# KiCad board All_Bloks_of_project.kicad_pcb (continued)
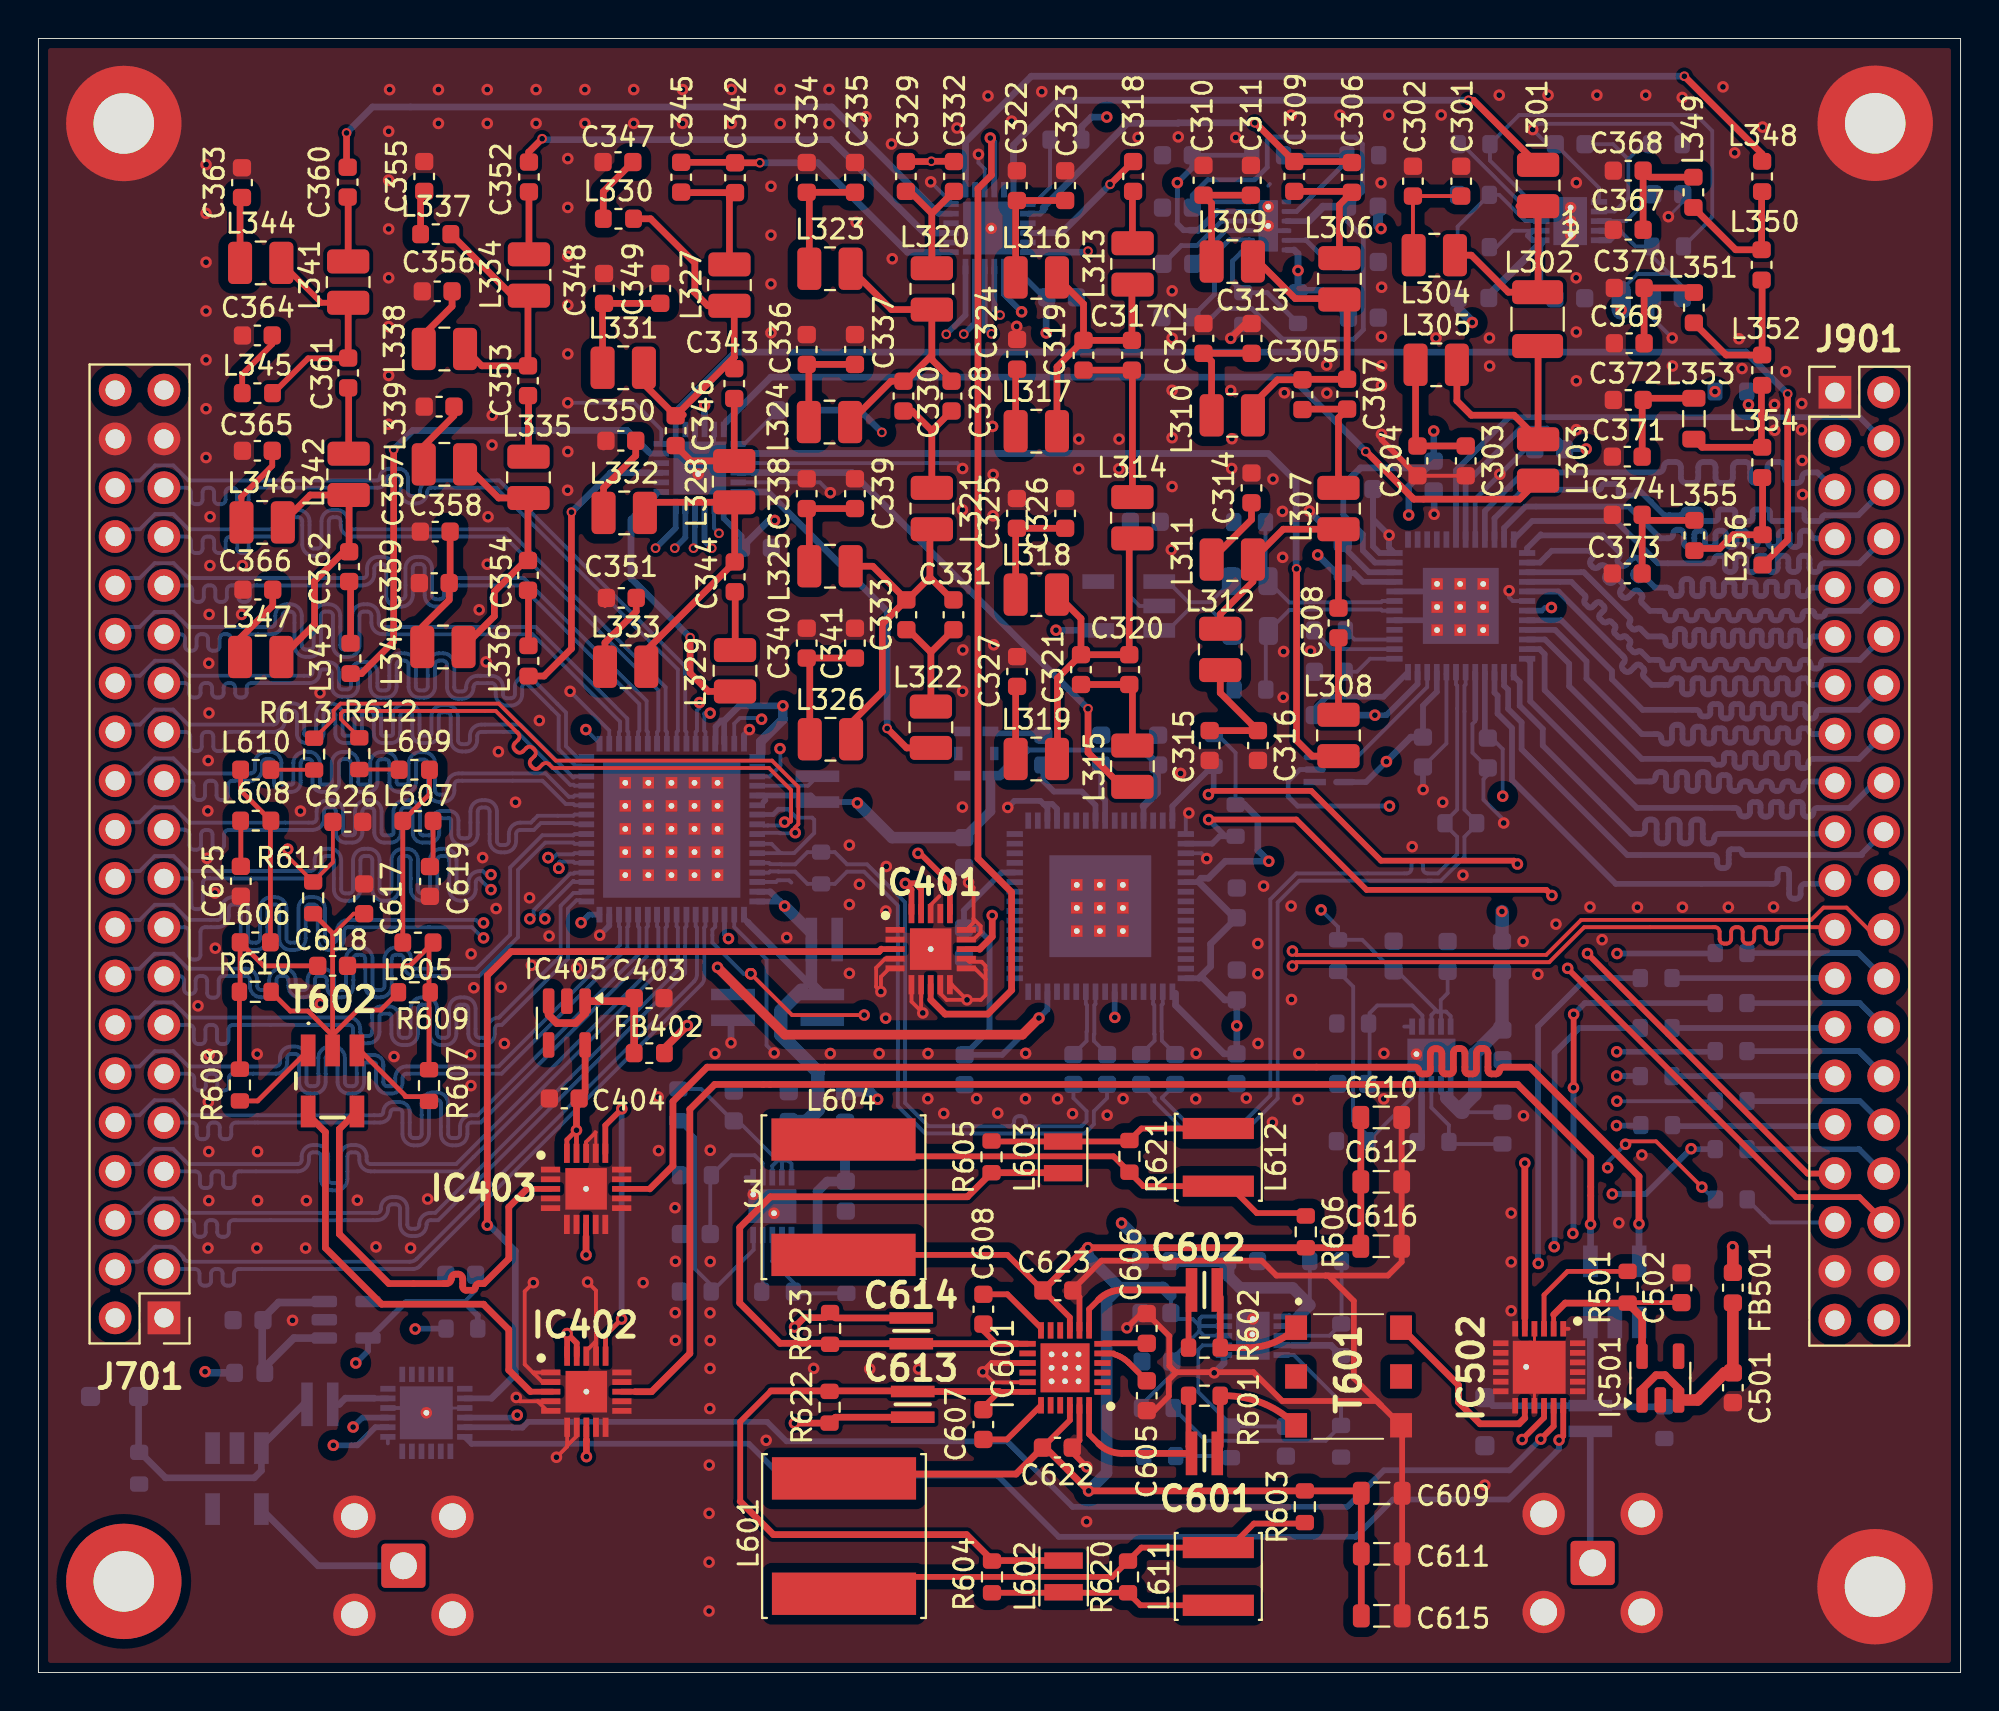
[diagram p0: board, top side]
## Routing (per net, layer and track width the routed paths; a pad name or vN(x,y) marks a point on that pad's centre or on a via; arc(x,y) is an arc through that point) (continued)
/TX_D9: length 27.5
  Bottom w0.3: IC901.39 80.4,57.24 82.79,54.85 arc(82.83,54.74) 82.79,54.64 arc(82.74,54.53) 82.79,54.43 82.93,54.28 arc(83.04,54.24) 83.14,54.28 arc(83.25,54.33) 83.35,54.28 83.74,53.9 84.45,53.9 arc(84.59,53.84) 84.65,53.7 84.65,53.61 arc(84.71,53.47) 84.85,53.41 84.95,53.41 arc(85.09,53.47) 85.15,53.61 85.15,54.09 arc(85.21,54.22) 85.34,54.28 85.46,54.28 arc(85.6,54.22) 85.65,54.09 85.65,53.61 arc(85.71,53.47) 85.85,53.41 85.95,53.41 arc(86.09,53.47) 86.15,53.61 86.15,54.06 arc(86.2,54.18) 86.32,54.23 86.49,54.23 arc(86.6,54.18) 86.65,54.06 86.65,53.61 arc(86.71,53.47) 86.85,53.41 86.95,53.41 arc(87.09,53.47) 87.15,53.61 87.15,54.06 arc(87.2,54.18) 87.32,54.23 87.49,54.23 arc(87.6,54.18) 87.65,54.06 87.65,53.61 arc(87.71,53.47) 87.85,53.41 87.95,53.41 arc(88.09,53.47) 88.15,53.61 88.15,54.05 arc(88.2,54.15) 88.3,54.2 88.5,54.2 arc(88.61,54.15) 88.65,54.05 88.65,53.61 arc(88.71,53.47) 88.85,53.41 88.95,53.41 arc(89.09,53.47) 89.15,53.61 89.15,54.05 arc(89.2,54.15) 89.3,54.2 89.5,54.2 arc(89.61,54.15) 89.65,54.05 89.65,53.61 arc(89.71,53.46) 89.85,53.41 89.95,53.41 arc(90.09,53.46) 90.15,53.61 90.15,54.05 arc(90.2,54.15) 90.3,54.2 90.5,54.2 arc(90.61,54.15) 90.65,54.05 90.65,53.6 arc(90.71,53.46) 90.85,53.4 90.95,53.4 arc(91.09,53.46) 91.15,53.6 91.15,54.05 arc(91.2,54.15) 91.3,54.2 91.5,54.2 arc(91.61,54.15) 91.65,54.05 91.65,53.6 arc(91.71,53.46) 91.85,53.4 91.95,53.4 arc(92.09,53.46) 92.15,53.6 92.15,53.7 arc(92.21,53.84) 92.35,53.9 J901.11
/TX_D10: length 27.8
  Bottom w0.3: IC901.38 78.11,57.74 78.73,58.35 80.71,58.35 80.82,58.24 arc(80.88,58.09) 80.82,57.93 80.78,57.9 arc(80.72,57.74) 80.78,57.59 80.86,57.51 arc(81.02,57.44) 81.17,57.51 81.21,57.54 arc(81.36,57.61) 81.52,57.54 81.6,57.47 arc(81.66,57.31) 81.6,57.16 81.56,57.12 arc(81.5,56.96) 81.56,56.81 81.64,56.73 arc(81.79,56.67) 81.95,56.73 81.99,56.77 arc(82.14,56.83) 82.3,56.77 82.37,56.69 arc(82.44,56.53) 82.37,56.38 82.34,56.34 arc(82.27,56.19) 82.34,56.03 82.42,55.95 arc(82.57,55.89) 82.73,55.95 83.02,56.25 arc(83.13,56.29) 83.24,56.25 83.41,56.07 arc(83.46,55.97) 83.41,55.86 arc(83.37,55.76) 83.41,55.65 83.84,55.22 84.41,55.22 arc(84.56,55.16) 84.63,55 84.63,54.95 arc(84.69,54.8) 84.85,54.73 84.96,54.73 arc(85.11,54.8) 85.18,54.95 85.18,55 arc(85.24,55.16) 85.4,55.22 85.51,55.22 arc(85.66,55.16) 85.73,55 85.73,54.95 arc(85.79,54.8) 85.95,54.73 86.06,54.73 arc(86.21,54.8) 86.28,54.95 86.28,55 arc(86.34,55.16) 86.5,55.22 86.61,55.22 arc(86.76,55.16) 86.83,55 86.83,54.95 arc(86.89,54.8) 87.05,54.73 87.16,54.73 arc(87.31,54.8) 87.38,54.95 87.38,55 arc(87.44,55.16) 87.6,55.22 87.71,55.22 arc(87.86,55.16) 87.93,55 87.93,54.95 arc(87.99,54.8) 88.15,54.73 88.26,54.73 arc(88.41,54.8) 88.48,54.95 88.48,55 arc(88.54,55.16) 88.7,55.22 88.81,55.22 arc(88.96,55.16) 89.03,55 89.03,54.95 arc(89.09,54.8) 89.25,54.73 89.36,54.73 arc(89.51,54.8) 89.58,54.95 89.58,55 arc(89.64,55.16) 89.8,55.22 89.91,55.22 arc(90.06,55.16) 90.13,55 90.13,54.95 arc(90.19,54.8) 90.35,54.73 90.46,54.73 arc(90.61,54.8) 90.68,54.95 90.68,55 arc(90.74,55.16) 90.9,55.22 91.01,55.22 arc(91.16,55.16) 91.23,55 91.23,54.95 arc(91.29,54.8) 91.45,54.73 91.56,54.73 arc(91.71,54.8) 91.78,54.95 91.78,55 arc(91.84,55.16) 92,55.22 92.25,55.22 arc(92.35,55.18) 92.4,55.07 arc(92.44,54.97) 92.55,54.92 92.8,54.92 arc(92.9,54.97) 92.95,55.07 arc(92.99,55.18) 93.1,55.22 94.79,55.22 J901.10 95.72,56.44
/TX_D11: length 27.5
  Bottom w0.3: IC901.37 77.45,58.49 78.16,59.2 78.21,59.15 81.39,59.15 82.22,58.32 arc(82.28,58.17) 82.22,58.01 82.21,58.01 arc(82.15,57.85) 82.21,57.7 82.29,57.62 arc(82.45,57.56) 82.6,57.62 82.92,57.94 arc(83.07,58) 83.23,57.94 83.31,57.86 arc(83.37,57.7) 83.31,57.55 83.01,57.25 arc(82.95,57.11) 83.01,56.98 83.13,56.86 arc(83.27,56.8) 83.4,56.86 arc(83.54,56.92) 83.68,56.86 84.1,56.44 84.72,56.44 arc(84.87,56.37) 84.94,56.22 84.94,56.21 arc(85,56.06) 85.16,55.99 85.27,55.99 arc(85.42,56.06) 85.49,56.21 85.49,56.66 arc(85.55,56.81) 85.71,56.88 85.82,56.88 arc(85.97,56.81) 86.04,56.66 86.04,56.21 arc(86.1,56.06) 86.26,55.99 86.37,55.99 arc(86.52,56.06) 86.59,56.21 86.59,56.66 arc(86.65,56.81) 86.81,56.88 86.92,56.88 arc(87.07,56.81) 87.14,56.66 87.14,56.21 arc(87.2,56.06) 87.36,55.99 87.47,55.99 arc(87.62,56.06) 87.69,56.21 87.69,56.59 arc(87.73,56.69) 87.84,56.74 88.09,56.74 arc(88.19,56.69) 88.24,56.59 88.24,56.21 arc(88.3,56.06) 88.46,55.99 88.57,55.99 arc(88.72,56.06) 88.79,56.21 88.79,56.59 arc(88.83,56.69) 88.94,56.74 89.19,56.74 arc(89.29,56.69) 89.34,56.59 89.34,56.21 arc(89.4,56.06) 89.56,55.99 89.67,55.99 arc(89.82,56.06) 89.89,56.21 89.89,56.59 arc(89.93,56.69) 90.04,56.74 90.29,56.74 arc(90.39,56.69) 90.44,56.59 90.44,56.21 arc(90.5,56.05) 90.66,55.99 90.77,55.99 arc(90.92,56.05) 90.99,56.21 90.99,56.59 arc(91.03,56.69) 91.14,56.74 91.39,56.74 arc(91.49,56.69) 91.54,56.59 91.54,56.21 arc(91.6,56.05) 91.76,55.99 91.87,55.99 arc(92.02,56.05) 92.09,56.21 92.09,56.22 arc(92.15,56.37) 92.31,56.44 J901.9
/TX_D12: length 27.6
  Bottom w0.3: 76.79,58.9 IC901.36 77.72,59.9 82.06,59.9 84.26,57.7 86.99,57.7 arc(87.13,57.76) 87.19,57.9 arc(87.25,58.04) 87.39,58.09 87.54,58.09 arc(87.68,58.04) 87.74,57.9 87.74,57.47 arc(87.81,57.32) 87.96,57.25 88.07,57.25 arc(88.23,57.32) 88.29,57.47 88.29,57.9 arc(88.35,58.04) 88.49,58.09 88.64,58.09 arc(88.78,58.04) 88.84,57.9 88.84,57.47 arc(88.91,57.32) 89.06,57.25 89.17,57.25 arc(89.33,57.32) 89.39,57.47 89.39,57.9 arc(89.45,58.04) 89.59,58.09 89.74,58.09 arc(89.88,58.04) 89.94,57.9 89.94,57.47 arc(90.01,57.32) 90.16,57.25 90.27,57.25 arc(90.43,57.32) 90.49,57.47 90.49,57.9 arc(90.55,58.04) 90.69,58.09 90.84,58.09 arc(90.98,58.04) 91.04,57.9 91.04,57.47 arc(91.11,57.32) 91.26,57.25 91.37,57.25 arc(91.53,57.32) 91.59,57.47 91.59,57.9 arc(91.65,58.04) 91.79,58.09 91.94,58.09 arc(92.08,58.04) 92.14,57.9 92.14,57.47 arc(92.21,57.32) 92.36,57.25 92.47,57.25 arc(92.63,57.32) 92.69,57.47 92.69,57.48 arc(92.76,57.64) 92.91,57.7 94.73,57.7 J901.8
/TX_D13: length 27.5
  Bottom w0.3: J901.7 93.44,59 92.4,59 arc(92.26,59.06) 92.2,59.2 arc(92.14,59.34) 92,59.39 91.85,59.39 arc(91.71,59.34) 91.65,59.2 91.65,58.77 arc(91.58,58.62) 91.43,58.55 91.32,58.55 arc(91.16,58.62) 91.1,58.77 91.1,59.2 arc(91.04,59.34) 90.9,59.4 90.75,59.4 arc(90.61,59.34) 90.55,59.2 90.55,58.77 arc(90.48,58.62) 90.33,58.55 90.22,58.55 arc(90.06,58.62) 90,58.77 90,59.23 arc(89.93,59.38) 89.78,59.45 89.67,59.45 arc(89.51,59.38) 89.45,59.23 89.45,58.77 arc(89.38,58.62) 89.23,58.55 89.12,58.55 arc(88.96,58.62) 88.9,58.77 88.9,59.2 arc(88.84,59.34) 88.7,59.4 88.55,59.4 arc(88.41,59.34) 88.35,59.2 88.35,58.77 arc(88.28,58.62) 88.13,58.55 88.02,58.55 arc(87.86,58.62) 87.8,58.77 87.8,59.2 arc(87.74,59.34) 87.6,59.4 87.45,59.4 arc(87.31,59.34) 87.25,59.2 87.25,58.77 arc(87.18,58.62) 87.03,58.55 86.92,58.55 arc(86.76,58.62) 86.7,58.77 86.7,59.2 arc(86.64,59.34) 86.5,59.4 86.35,59.4 arc(86.21,59.34) 86.15,59.2 86.15,58.77 arc(86.08,58.62) 85.93,58.55 85.82,58.55 arc(85.66,58.62) 85.6,58.77 85.6,59.23 arc(85.53,59.38) 85.38,59.45 85.27,59.45 arc(85.11,59.38) 85.05,59.23 85.05,59.22 arc(84.98,59.06) 84.83,59 84.39,59 82.74,60.65 77.36,60.65 76.25,59.54 IC901.35
/TX_D14: length 27.5
  Bottom w0.3: IC901.34 75.75,60.04 77.24,61.52 81.16,61.52 arc(81.27,61.57) 81.31,61.67 arc(81.36,61.78) 81.46,61.82 82.06,61.82 arc(82.17,61.78) 82.21,61.67 82.21,61.37 arc(82.26,61.27) 82.36,61.22 82.96,61.22 arc(83.07,61.27) 83.11,61.37 arc(83.16,61.48) 83.26,61.52 84.59,60.2 85.43,60.2 arc(85.54,60.24) 85.58,60.35 arc(85.63,60.46) 85.73,60.5 86.33,60.5 arc(86.44,60.46) 86.48,60.35 86.48,60.05 arc(86.53,59.94) 86.63,59.9 87.23,59.9 arc(87.34,59.94) 87.38,60.05 87.38,60.35 arc(87.43,60.46) 87.53,60.5 88.13,60.5 arc(88.24,60.46) 88.28,60.35 88.28,60.05 arc(88.33,59.94) 88.43,59.9 89.03,59.9 arc(89.14,59.94) 89.18,60.05 89.18,60.35 arc(89.23,60.46) 89.33,60.5 89.93,60.5 arc(90.04,60.46) 90.08,60.35 90.08,60.05 arc(90.13,59.94) 90.23,59.9 90.83,59.9 arc(90.94,59.94) 90.98,60.05 90.98,60.35 arc(91.03,60.46) 91.13,60.5 91.73,60.5 arc(91.84,60.46) 91.88,60.35 91.88,60.05 arc(91.93,59.94) 92.03,59.9 92.63,59.9 arc(92.74,59.94) 92.78,60.05 arc(92.83,60.16) 92.93,60.2 94.69,60.2 J901.6
/TX_D15: length 27.5
  Bottom w0.3: IC901.33 75.25,60.41 77.26,62.42 84.28,62.42 arc(84.47,62.5) 84.55,62.7 arc(84.63,62.89) 84.82,62.97 85.18,62.97 arc(85.37,62.89) 85.45,62.7 85.45,62.15 arc(85.53,61.96) 85.72,61.88 86.08,61.88 arc(86.27,61.96) 86.35,62.15 86.35,62.7 arc(86.43,62.89) 86.62,62.97 86.98,62.97 arc(87.17,62.89) 87.25,62.7 87.25,62.15 arc(87.33,61.96) 87.52,61.88 87.88,61.88 arc(88.07,61.96) 88.15,62.15 88.15,62.7 arc(88.23,62.89) 88.42,62.97 88.78,62.97 arc(88.97,62.89) 89.05,62.7 89.05,62.15 arc(89.13,61.96) 89.32,61.88 89.68,61.88 arc(89.87,61.96) 89.95,62.15 89.95,62.7 arc(90.03,62.89) 90.22,62.97 90.58,62.97 arc(90.77,62.89) 90.85,62.7 90.85,62.15 arc(90.93,61.96) 91.12,61.88 91.48,61.88 arc(91.67,61.96) 91.75,62.15 arc(91.83,62.35) 92.03,62.42 92.55,62.42 J901.5
/TX_SEL0: length 27.5
  Bottom w0.3: IC901.30 73.75,62.54 76.51,65.3 94.76,65.3 J901.4
/TX_XOR: length 27.6
  Bottom w0.3: IC901.3 75.75,50.97 75.91,50.81 75.91,49.87 76.66,49.12 76.66,46.42 82.06,41.02 90.24,41.02 arc(90.41,41.1) 90.48,41.26 90.48,41.56 arc(90.55,41.73) 90.72,41.8 90.84,41.8 arc(91.01,41.73) 91.08,41.56 91.08,40.49 arc(91.15,40.32) 91.32,40.25 91.44,40.25 arc(91.61,40.32) 91.68,40.49 91.68,40.78 arc(91.75,40.95) 91.92,41.02 93.29,41.02 J901.21
LNA_N: length 21.1
  Top w0.3: 41.47,18.44 R623.1 ; IC403.8 28.49,22.67 28.49,22.67
  Top w0.35: v1(39.34,17.97) 39.83,18.46 40.92,18.46 R623.1 ; C614.2 41.47,18.44 ; v1(28.49,21.72) 28.49,22.67
  In2.Cu w0.35: v1(28.49,21.72) 32.24,17.97 36.81,17.97 arc(36.98,17.9) 37.05,17.73 37.05,17.72 arc(37.12,17.55) 37.29,17.48 37.41,17.48 arc(37.58,17.55) 37.65,17.72 37.65,17.73 arc(37.72,17.9) 37.89,17.97 v1(39.34,17.97)
LNA_P: length 20.9
  Top w0.3: IC402.8 28.51,12.09
  Top w0.35: v1(39.33,12.97) 39.33,12.97 R622.1 41.47,13.28 C613.2 ; 28.51,12.09 28.51,12.09 v1(28.51,11.23)
  In2.Cu w0.35: v1(39.33,12.97) 33.04,12.97 29.94,9.87 29.1,9.87 28.51,10.46 v1(28.51,11.23)
RX_1: length 46.4
  Top w0.3: 43.85,37.63 IC401.3
  Top w0.35: 43.85,37.63 43.72,37.5 24.59,37.5 23.35,36.26 v1(23.35,23.27)
  Bottom w0.3: 23.57,14.26 IC104.14
  Bottom w0.35: v1(23.35,23.27) 23.47,23.27 24.81,21.93 24.81,15.5 23.57,14.26
RX_IN_N: length 23.6
  Top w0.3: 26.66,25.16 25.42,25.16
  Top w0.35: 25.42,25.16 24.47,24.21 24.47,21.52 23.18,20.23 22.91,20.23 arc(22.79,20.18) 22.74,20.06 arc(22.69,19.94) 22.56,19.88 22.25,19.88 arc(22.13,19.94) 22.07,20.06 22.07,20.48 arc(22,20.65) 21.83,20.72 21.71,20.72 arc(21.54,20.65) 21.47,20.48 21.47,20.47 arc(21.4,20.31) 21.23,20.23 18.23,20.23 15.66,22.81 15.66,28.27 T602.4
RX_IN_P: length 23.6
  Top w0.3: 26.74,14.61 25.59,14.61
  Top w0.35: T602.6 14.03,29.01 14.93,28.11 14.93,22.08 17.86,19.16 23.16,19.16 23.16,19.15 24.47,17.83 24.47,15.73 25.59,14.61
RX_TX_1: length 54
  Top w0.3: 50.63,35.51 50.64,35.5 ; IC401.8 46.42,35
  Top w0.35: 46.42,35 47.17,34.25 49.39,34.25 50.64,35.5 ; 50.63,35.51 50.63,40.59 48.88,42.34 48.88,77.19 49.58,77.89 49.58,79.76 v1(49.52,79.82)
  Bottom w0.3: v1(49.52,79.82) 49.73,79.61 IC201.22
RX_TX_2: length 83.2
  Top w0.3: 77.33,17.87 77.33,18.61
  Top w0.35: v1(77.33,26.5) 77.33,18.43
  In2.Cu w0.22: v1(34.66,65.92) 33.89,65.92 30.27,62.3 30.27,57.38 32.82,54.83 53.25,54.83 75.45,32.63 75.45,28.38 v1(77.33,26.5)
  Bottom w0.3: 34.65,65.4 34.66,65.39 IC202.22 ; 34.65,65.91 v1(34.66,65.92)
  Bottom w0.35: 34.65,65.4 34.65,65.91
RX_TX_3: length 9.7
  Top w0.3: 77.33,13.74 77.33,13.24
  Top w0.35: T601.6 73.88,14.95 73.88,14.06 75,12.94 77.03,12.94 77.33,13.24
TX_1: length 21.1
  Top w0.3: 48.95,37.63 IC401.13
  Top w0.35: 48.95,37.63 48.97,37.63 49.62,38.28 v1(49.62,39.38)
  In2.Cu w0.3: v1(49.62,39.38) 49.61,39.39
  In2.Cu w0.35: v1(52.94,54.22) 49.61,50.89 49.61,39.39
  Bottom w0.35: T901.6 52.95,54.21 v1(52.94,54.22)
TX_OUT_N: length 71.5
  Top w0.3: IC403.13 31.81,25.16
  Top w0.35: 31.81,25.16 33.01,26.36 33.01,29.71 34.79,31.49 71.64,31.49 arc(71.76,31.44) 71.81,31.31 arc(71.86,31.19) 71.99,31.14 72.24,31.14 arc(72.36,31.19) 72.41,31.31 72.41,32.21 arc(72.48,32.38) 72.65,32.45 72.77,32.45 arc(72.94,32.38) 73.01,32.21 73.01,31.31 arc(73.06,31.19) 73.19,31.14 73.44,31.14 arc(73.56,31.19) 73.61,31.31 73.61,32.22 arc(73.68,32.39) 73.85,32.46 73.97,32.46 arc(74.14,32.39) 74.21,32.22 74.21,31.31 arc(74.26,31.19) 74.39,31.14 74.64,31.14 arc(74.76,31.19) 74.81,31.31 74.81,32.23 arc(74.88,32.4) 75.05,32.47 75.17,32.47 arc(75.34,32.4) 75.41,32.23 75.41,31.31 arc(75.46,31.19) 75.59,31.14 75.84,31.14 arc(75.96,31.19) 76.01,31.31 arc(76.06,31.44) 76.19,31.49 77.59,31.49 83.27,25.81 v1(83.27,23.34)
  Bottom w0.2: 83.27,21.4 83.28,21.39
  Bottom w0.35: v1(83.27,23.34) 83.27,21.4
TX_OUT_P: length 71.4
  Top w0.3: IC402.13 31.05,14.61
  Top w0.35: 31.05,14.61 31.9,14.61 33.89,16.6 33.89,29.3 35.18,30.59 76.96,30.59 80.76,26.79 80.76,23.33 v1(80.75,23.32)
  Bottom w0.2: 80.75,21.39 80.74,21.39
  Bottom w0.35: v1(80.75,23.32) 80.75,21.39
Net-(C301-Pad1): length 5.6
  Top w0.2: C301.1 C302.1 71.51,73.76 L304.1
Net-(C303-Pad1): length 7.1
  Top w0.35: C303.1 C304.1 71.65,63.9 L305.1 71.45,67.83
Net-(C310-Pad1): length 6.1
  Top w0.35: L309.1 61.04,76.42 C310.1 63.12,76.85
Net-(C312-Pad1): length 5.9
  Top w0.35: L310.1 61.04,68.2 C312.1 C313.1
Net-(C314-Pad1): length 3.8
  Top w0.35: C314.1 63.11,59.97 L311.1
Net-(C315-Pad1): length 6.5
  Top w0.35: C315.1 C316.1 61.49,50.96 L312.1
Net-(C322-Pad1): length 6.5
  Top w0.2: 50.84,76.5 C322.1
  Top w0.35: C323.1 C322.1 ; L316.1 50.84,76.5
Net-(C324-Pad1): length 3.3
  Top w0.2: 50.84,67.72 50.92,67.79
  Top w0.35: L317.1 50.84,67.72
Net-(C325-Pad1): length 6
  Top w0.2: 50.84,59.45 C325.1
  Top w0.35: L318.1 50.84,59.45 ; C326.1 C325.1
Net-(C327-Pad1): length 3.8
  Top w0.2: 50.84,51.22 C327.1
  Top w0.35: L319.1 50.84,51.22
Net-(C334-Pad1): length 6.5
  Top w0.2: 40.1,76.86 C334.1
  Top w0.35: L323.1 40.1,76.86 ; C335.1 C334.1
Net-(C336-Pad1): length 5.6
  Top w0.2: 40.08,67.94 C336.1
  Top w0.35: C337.1 C336.1 ; L324.1 40.08,67.94
Net-(C338-Pad1): length 5.6
  Top w0.2: 40.1,60.41 C338.1
  Top w0.35: C339.1 C338.1 ; L325.1 40.1,60.41
Net-(C340-Pad1): length 6.8
  Top w0.2: 40.13,52.61 C340.1
  Top w0.35: L326.1 40.13,52.61 ; C341.1 C340.1
Net-(C347-Pad1): length 3.6
  Top w0.35: C347.1 29.39,77.03 L330.1
Net-(C348-Pad1): length 6.4
  Top w0.2: 32.32,71.1 32.27,71.15
  Top w0.35: L331.1 29.35,71.15 C348.1 C349.1
Net-(C350-Pad1): length 4.4
  Top w0.35: C350.1 31.07,63.3 29.4,61.62 L332.1
Net-(C351-Pad1): length 4.2
  Top w0.35: L333.1 29.47,53.57 31.1,55.2 C351.1
Net-(C355-Pad1): length 2.3
  Top w0.2: 19.88,76.86 C355.1
  Top w0.35: L337.1 19.88,76.86
Net-(C356-Pad1): length 3.7
  Top w0.2: 20.04,69.6 L338.1 19.97,68.92
  Top w0.35: C356.1 21.52,71.07 20.04,69.6
Net-(C357-Pad1): length 3.7
  Top w0.2: 20.07,62.87 L339.1 20.04,63.8 ; 21.62,65.37 C357.1
  Top w0.35: 20.04,63.8 21.62,65.37
Net-(C358-Pad1): length 6.7
  Top w0.2: 21.42,56.72 C359.1 ; 19.87,53.45 L340.1 19.97,54.4
  Top w0.35: 19.97,54.4 21.37,55.8 C359.1 ; C358.1 21.42,56.72
Net-(C363-Pad1): length 3.4
  Top w0.2: 10.49,76.63 C363.1
  Top w0.35: L344.1 10.49,76.63
Net-(C364-Pad1): length 3.7
  Top w0.3: L345.1 10.6,67.49 10.58,67.51 12.16,69.1 C364.1
Net-(C365-Pad1): length 4.4
  Top w0.3: C365.1 12.16,62.77 10.53,61.14 10.56,61.1 L346.1
Net-(C366-Pad1): length 4.2
  Top w0.35: C366.1 12.19,55.5 10.49,53.8 L347.1
Net-(C367-Pad1): length 5.8
  Top w0.2: 83.82,77.78 C368.1
  Top w0.35: C367.1 C368.1 ; L349.2 83.82,77.78
Net-(C369-Pad1): length 5.6
  Top w0.2: L351.2 85.89,72.02
  Top w0.35: C369.1 C370.1 85.89,72.02
Net-(C371-Pad1): length 5.6
  Top w0.2: 83.57,66.28 C372.1 83.44,66.15
  Top w0.35: C371.1 83.44,66.15 ; L353.2 83.57,66.28
Net-(C373-Pad1): length 5.9
  Top w0.2: 83.72,59.93 C374.1
  Top w0.35: L355.2 83.72,59.93 ; C373.1 C374.1
Net-(C618-Pad1): length 11.7
  Top w0.25: C618.1 19.32,36.76 L605.1 20.32,37.76 R607.2
Net-(C618-Pad2): length 11.2
  Top w0.25: R608.2 10.45,31.41 R610.1 10.49,35.45 L606.1 11.72,36.76 C618.2
Net-(C619-Pad2): length 2.4
  Top w0.25: L607.2 20.53,42.09 C619.2
Net-(C625-Pad2): length 2.4
  Top w0.25: 10.53,41.93 10.53,44.3 L608.1
Net-(IC101-EN): length 10.1
  Bottom w0.4: 14.47,19.25 12.5,19.25 11.64,18.39 11.64,15.73 FB102.2 11.78,15.89 13.29,17.4 IC101.1
Net-(IC104-~{P}/S): length 10.1
  In2.Cu w0.3: v1(19.6,17.87) 19.6,17.25 16.37,14.02 v1(16.37,12.77)
  Bottom w0.2: 19.62,17.89 v1(19.6,17.87)
  Bottom w0.3: IC104.3 16.86,13.26 v1(16.37,12.77) ; R102.2 19.62,17.89
Net-(IC201-LS): length 4
  Bottom w0.2: R201.1 52.63,77.26 51.76,76.38 IC201.1
Net-(IC202-LS): length 2.8
  Bottom w0.2: R202.1 36.73,63.91 IC202.1
Net-(IC203-C+): length 5.4
  Bottom w0.25: C204.2 59.45,74.22 60.28,74.22 61.55,75.5 IC203.10
Net-(IC203-C-): length 3.7
  Bottom w0.25: IC203.9 61.75,75 60.88,74.13 60.88,74.1 C204.1
Net-(IC203-CP): length 3.7
  Bottom w0.25: 68.16,73.38 67.08,73.38 65.93,74.53 65.9,74.5 IC203.5
Net-(IC203-EN+): length 44.7
  Bottom w0.25: IC203.8 63,74.53 61.95,74.53 61.18,73.75 61.18,71.68 C203.2 61.05,70.5 61.53,70.97 61.55,70.95 63.13,70.95 64.72,69.36 68.44,69.36 68.93,69.85 68.93,74.65 68.12,75.46 FB201.2 68.88,77.01 68.88,79.5 68.51,79.87 64.1,79.87 63.93,79.7 63.93,78.3 63.28,77.65 60.83,77.65 60.03,76.85 C201.2 60.03,76.15 60.05,76.12 60.43,76.5 IC203.12
  Bottom w0.3: IC203.3 66.08,75.5
  Bottom w0.4: FB201.2 66.83,76.25 66.08,75.5
Net-(IC203-FB+): length 7.8
  Bottom w0.25: IC203.2 65.45,76 68.08,78.62 R204.1 R203.1
Net-(IC203-FB-): length 6.5
  Bottom w0.25: IC203.7 62.7,74 62.13,73.43 62.13,72.33 R205.1 63.93,71.78 R206.1
Net-(IC405-EN): length 9.1
  Top w0.4: FB402.2 30.99,35.08 C403.1 30.84,34.92 IC405.1 28.44,34.28 27.94,33.78 26.97,33.78 26.54,34.21 IC405.3
Net-(IC501-EN): length 10.7
  Top w0.4: IC501.3 85.33,14.77 84.63,15.47 84.16,15.47 83.43,14.74 IC501.1
  Top w0.6: IC501.3 86.32,14.18 87.73,15.59 C501.1 FB501.2
Net-(IC502-~{P}/S): length 6.6
  Top w0.25: IC502.3 78.33,19.64 79.55,20.87 R501.2
Net-(IC601-+FDBK): length 3.7
  Top w0.3: C607.1 50.39,12.12 IC601.19
Net-(IC601-+IN): length 10.6
  Top w0.2: 59.99,14.03 arc(59.95,14.23) R601.2
  Top w0.3: 55.16,11.9 54.66,12.4 IC601.24 ; R601.2 59.83,11.77 arc(59.88,11.57) C601.2
  Top w0.35: C601.2 56.37,11.4 arc(55.71,11.53) 55.16,11.9
Net-(IC601--FDBK): length 3.8
  Top w0.3: C608.1 50.41,19.67 52.16,17.93 IC601.12
Net-(IC601--IN): length 9.8
  Top w0.2: 59.83,19.53 arc(59.88,19.73) C602.2
  Top w0.3: R602.2 59.83,19.53 ; IC601.7 54.66,18.9 55.16,19.4
  Top w0.35: C602.2 56.37,19.9 arc(55.71,19.77) 55.16,19.4
Net-(IC601-NFILT1): length 2.3
  Top w0.2: 55.42,17.12 arc(55.39,17.12) IC601.6
  Top w0.3: C606.2 55.42,17.12
Net-(IC601-NFILT2): length 3
  Top w0.2: 55.5,16.6 IC601.5 ; 55.93,16.6 55.98,16.55
  Top w0.3: IC601.5 55.93,16.6 ; C605.2 56.76,16.08 56.67,16.16 56.56,16.25 56.46,16.33 56.33,16.4 56.23,16.46 56.09,16.52 55.98,16.55
Net-(IC602-EN_UV): length 6.6
  Bottom w0.2: IC602.3 67.17,17.52 R615.2 67.8,18.15 R614.1
Net-(IC602-FB_PG): length 15.1
  Bottom w0.2: IC602.5 65.31,16.52 67.77,14.06 R618.2 66.97,12.05 60.74,12.05 59.04,13.76
Net-(IC602-IN_1): length 13.6
  Bottom w0.2: IC602.2 65.05,18.02 65.2,18.17 65.2,18.37 ; 61.92,21.35 61.88,21.4 ; 66.14,21.4 66.14,19.11 ; IC602.1 65.05,18.52
  Bottom w0.35: 65.05,18.52 65.2,18.37
  Bottom w0.6: 65.2,18.17 66.14,19.11 65.25,20.01 62.51,20.01 61.92,20.6 61.92,21.35 ; FB601.2 61.88,21.4
Net-(IC602-NR/SS): length 9
  Bottom w0.2: C604.1 62.06,12.8 R616.2 62.04,12.89 60.34,14.59 60.34,16.79 60.57,17.02 IC602.7
Net-(IC702-EN_UV): length 6.2
  Bottom w0.2: IC702.3 38.18,21.39 39.28,20.29 R703.2 39.36,19.72 R702.1
Net-(IC702-FB_PG): length 13.5
  Bottom w0.2: R705.1 34.15,27.85 34.15,21 35,20.15 R706.2 35.04,19.82 37.21,21.99 37.21,22.73 IC702.5
Net-(IC702-IN_1): length 14.4
  Bottom w0.2: 41.97,25.59 C701.1 41.99,25.54 ; 38.91,21.63 39.18,21.9 39.18,22.19 ; 40.08,21.36 40.08,21.33 40.13,21.37 42.04,21.37
  Bottom w0.3: IC702.2 38.68,21.86 ; IC702.1 39.18,22.19
  Bottom w0.35: 38.68,21.86 38.91,21.63
  Bottom w0.5: 39.18,21.9 39.18,21.69 39.53,21.33 40.08,21.33 ; 40.08,21.36 40.53,21.81 40.53,25.03 41.04,25.54 41.99,25.54 ; FB701.2 41.97,25.59
Net-(IC702-NR/SS): length 7.1
  Bottom w0.2: C706.1 34.95,25.81 R704.2 36.05,26.91 37.26,26.91 37.68,26.49 IC702.7
Net-(IC703-EN_UV): length 6.2
  Bottom w0.2: IC703.3 72.47,29.38 73.38,28.47 R708.2 73.48,27.49 R707.1
Net-(IC703-FB_PG): length 13.4
  Bottom w0.2: R710.1 68.4,35.68 68.4,28.69 69.18,27.91 R711.2 71.47,29.93 IC703.5
Net-(IC703-IN_1): length 13.1
  Bottom w0.2: R707.2 74.01,29.14 ; 72.97,30.18 IC703.2 ; IC703.1 73.47,30.09 ; 76.14,33.44 C709.1
  Bottom w0.3: 72.97,30.18 73.27,29.89 73.47,30.09
  Bottom w0.7: FB702.2 76.14,33.44 75.98,33.44 74.73,32.19 74.73,30.07 74.11,29.45 74.11,29.14 ; 73.27,29.89 74.01,29.14
Net-(IC703-NR/SS): length 7.7
  Bottom w0.2: 72,33.37 72,34.18 71.48,34.7 69.66,34.7 69.25,34.3 69.25,30.72 C710.1
Net-(IC801-XA): length 4.9
  Bottom w0.2: 54.98,44.33 IC801.8
  Bottom w0.3: IC801.8 54.99,45.12 54.28,45.83 52.83,45.83 52.27,46.39 C807.2
Net-(IC801-XB): length 3
  Bottom w0.3: IC801.9 55.49,45.37 55.29,45.57 C808.2
Net-(IC901-DACREF): length 2.8
  Bottom w0.2: R901.2 68.47,53.74 IC901.15
Net-(IC901-FSADJ): length 4.6
  Bottom w0.2: IC901.14 67.29,53.24 66.35,54.18 R901.1
Net-(IC901-PD): length 6.6
  Bottom w0.2: U902.4 68.61,47.62 72.25,51.26 IC901.10
Net-(IC901-REFIO): length 2.9
  Bottom w0.2: IC901.13 69.27,52.74 68.6,52.06 C904.1
Net-(IC902-EN_UV): length 6.7
  Bottom w0.2: IC902.3 77.36,75.5 76,76.86 R906.2 73.83,75.21 R905.1
Net-(IC902-FB_PG): length 23.6
  Bottom w0.2: R908.1 86.86,75.46 86.86,75.49 87.08,75.71 87.08,80.18 86.25,81.01 77.03,81.01 R909.2 75.52,78.65 77.67,76.5 IC902.5
Net-(IC902-IN_1): length 11.9
  Bottom w0.2: R905.2 75.85,74.14 76.7,75 IC902.2 77.74,75 ; 77.74,74.5 IC902.1 78.19,72.19 C909.1 ; 75.46,71.47 75.46,71.49 FB901.2
  Bottom w0.3: 77.74,75 77.49,74.75 77.74,74.5
  Bottom w0.4: 75.46,71.65 78.21,74.4
Net-(IC902-NR/SS): length 7.9
  Bottom w0.2: 82.71,78.71 81.92,79.5 C910.1 ; 82.71,78.71 83.49,79.5 83.86,79.5 ; 82.71,78.71 82.71,76.7 82.01,76 IC902.7
Net-(J901-Pad3): length 7.4
  In2.Cu w0.2: 93.06,63.65 J901.3 93.41,64 89.65,64 88.97,64.68 v1(88.97,65.95)
  Bottom w0.2: 88.88,66.63 88.88,66.04 v1(88.97,65.95)
Net-(J901-Pad25): length 8.5
  Bottom w0.2: 93.45,36.12 J901.25
  Bottom w0.3: R912.2 93.45,36.12
Net-(J901-Pad26): length 7.7
  Bottom w0.3: R913.1 94.69,37.42 J901.26
Net-(J901-Pad27): length 8.5
  Bottom w0.2: 93.41,33.52 J901.27
  Bottom w0.3: R910.2 93.41,33.52
Net-(J901-Pad28): length 7.6
  Bottom w0.3: J901.28 94.75,34.82 R911.1
Net-(J901-Pad29): length 8.5
  Bottom w0.2: 93.45,31.02 J901.29
  Bottom w0.3: R918.2 93.45,31.02
Net-(J901-Pad30): length 7.6
  Bottom w0.3: J901.30 94.71,32.32 R914.1
Net-(J901-Pad31): length 8.5
  Bottom w0.2: 93.39,28.42 J901.31 ; R917.2 85.06,28.42
  Bottom w0.3: 85.06,28.42 93.39,28.42
Net-(J901-Pad32): length 7.6
  Bottom w0.3: J901.32 94.77,29.72 R915.1
Net-(J901-Pad34): length 7.6
  Bottom w0.3: J901.34 94.73,27.22 R916.1
Net-(J901-Pad35): length 5.1
  Bottom w0.2: R921.2 89.76,23.75 89.77,23.75 90.1,23.42 J901.35
Net-(L601-Pad2): length 25.5
  Top w0.3: R603.1 65.84,7.75 63.23,7.75 61.98,6.5 L611.1 57.39,6.5 R620.2 55.86,4.97 42.79,4.97 L601.2
Net-(L602-Pad1): length 12
  Top w0.3: R604.2 R620.1 57.34,3.5 L611.2
Net-(L603-Pad2): length 12.1
  Top w0.3: R605.2 49.61,27.62 L603.2 56.71,27.62 R621.1 57.39,28.3 L612.1
Net-(L604-Pad1): length 25.7
  Top w0.3: L604.1 42.76,26.85 55.94,26.85 R621.2 57.49,25.3 L612.2 61.99,25.3 63.39,23.9 65.79,23.9 R606.1
Net-(L605-Pad2): length 9.7
  Top w0.25: L609.1 20.34,45.69 L607.1 L605.2 18.95,38 18.87,38.08
Net-(L606-Pad2): length 9.8
  Top w0.25: 12.09,38.01 L606.2 12.07,44.28 L608.2 10.52,45.88 L610.1 10.58,47.02
Net-(L609-Pad2): length 2.2
  Top w0.2: L609.2 18.75,46.97 R612.1
  Top w0.25: L609.2 18.87,46.86
Net-(L610-Pad2): length 2.3
  Top w0.2: R613.1 14.33,46.96 L610.2
Net-(R616-Pad1): length 2.9
  Bottom w0.2: R616.1 61.95,11.26 R619.2
Net-(T602-S1): length 4.6
  Top w0.25: R608.1 11.41,29.73 T602.1
Net-(T602-S2): length 4.7
  Top w0.25: 16.56,32.54 19.08,30.01 ; 19.08,29.96 20.23,29.96
Net-(T602-ST): length 19.7
  Top w0.2: 15.31,38.38 16.4,39.47 C617.2
  Top w0.25: R610.2 13.11,34.41 14.03,34.41 15.3,33.14 T602.2 ; T602.2 15.3,33.15 16.61,34.46 17.81,34.46 R609.1 ; T602.2 15.31,32.36 15.31,38.46 R611.1
Net-(T901-ST): length 5.7
  Bottom w0.2: T901.2 57.29,55.48 56.7,56.07 56.7,59.75 C919.1
Net-(X801-OUT): length 2.8
  Bottom w0.2: 49.63,48.85 X801.4 ; C807.1 52.18,48.85
  Bottom w0.3: 52.18,48.85 49.63,48.85

## Copper pours and planes (outline as drawn; the poured copper is in the pictures)
